# Altium PCB PCB1.PcbDoc (part 1 of 2)
Units mm, origin at the board's own origin, x right, y up, seen from the top; angles counter-clockwise.
Board outline 125 x 50 mm, 4 copper layers (Top Layer, Top Middle Layer, Bottom Middle Layer, Bottom Layer), stack 0.603 mm thick; 91 components, 155 nets, 641 pads, 185 vias.
Unrouted connection lines stored in the file: 1.
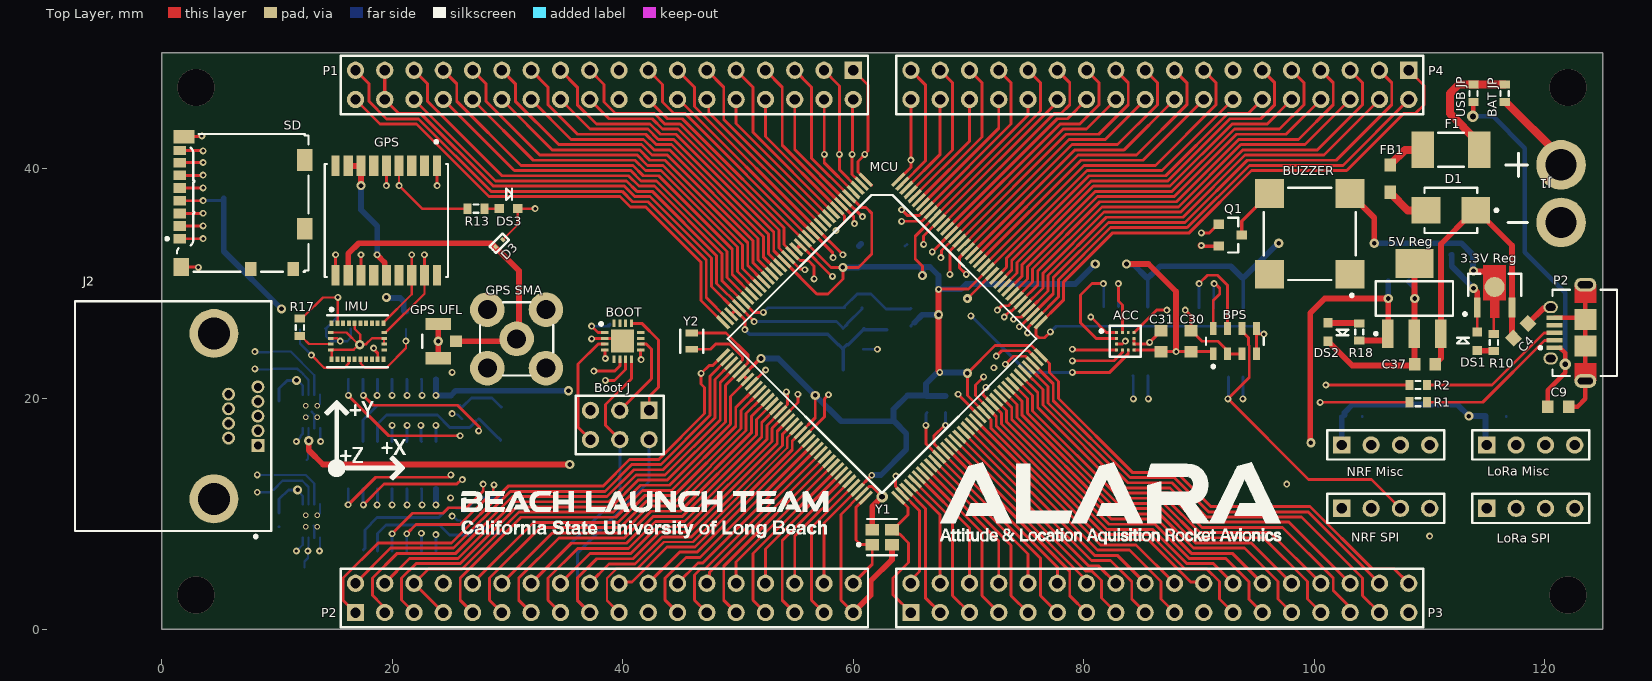
[diagram p0: Top Layer view]
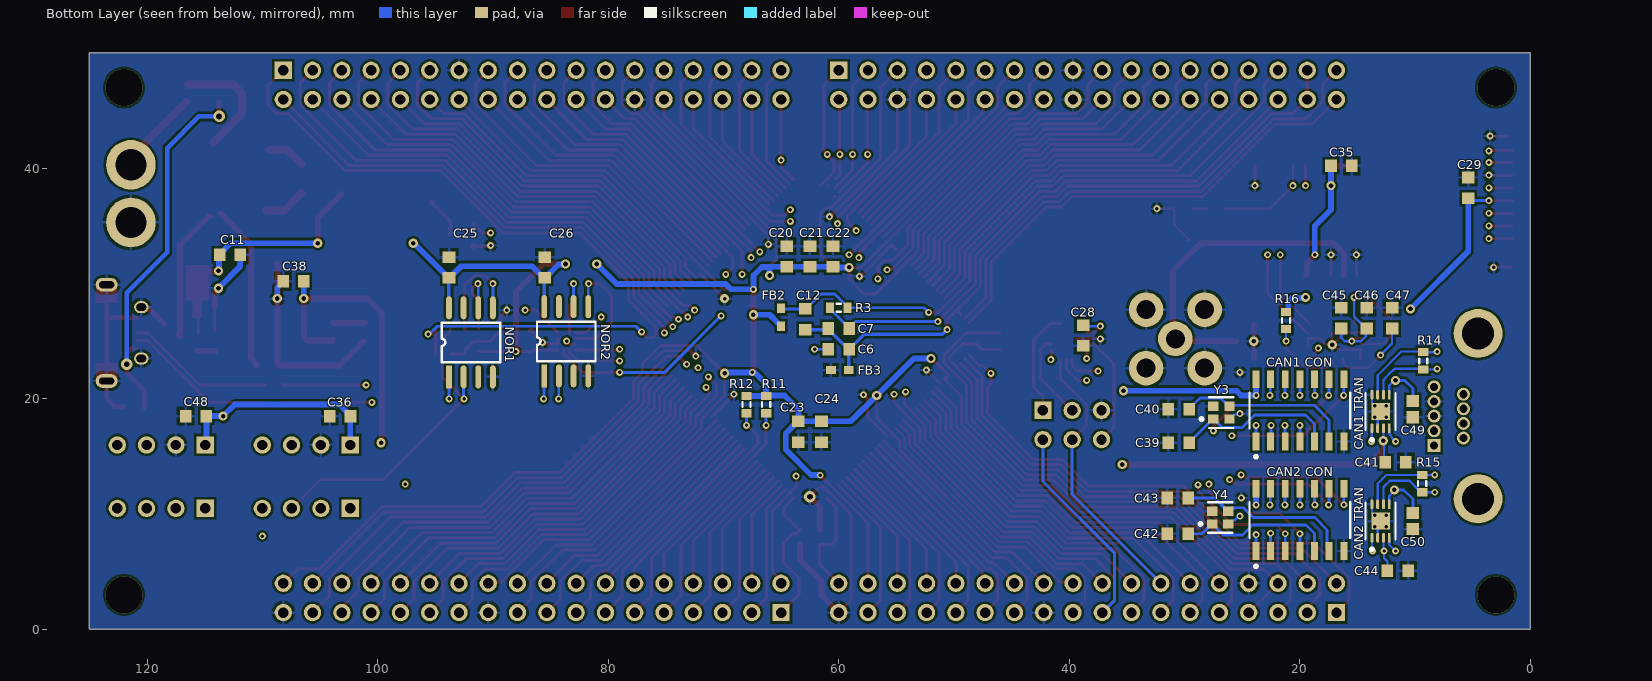
[diagram p1: Bottom Layer view, seen from below]
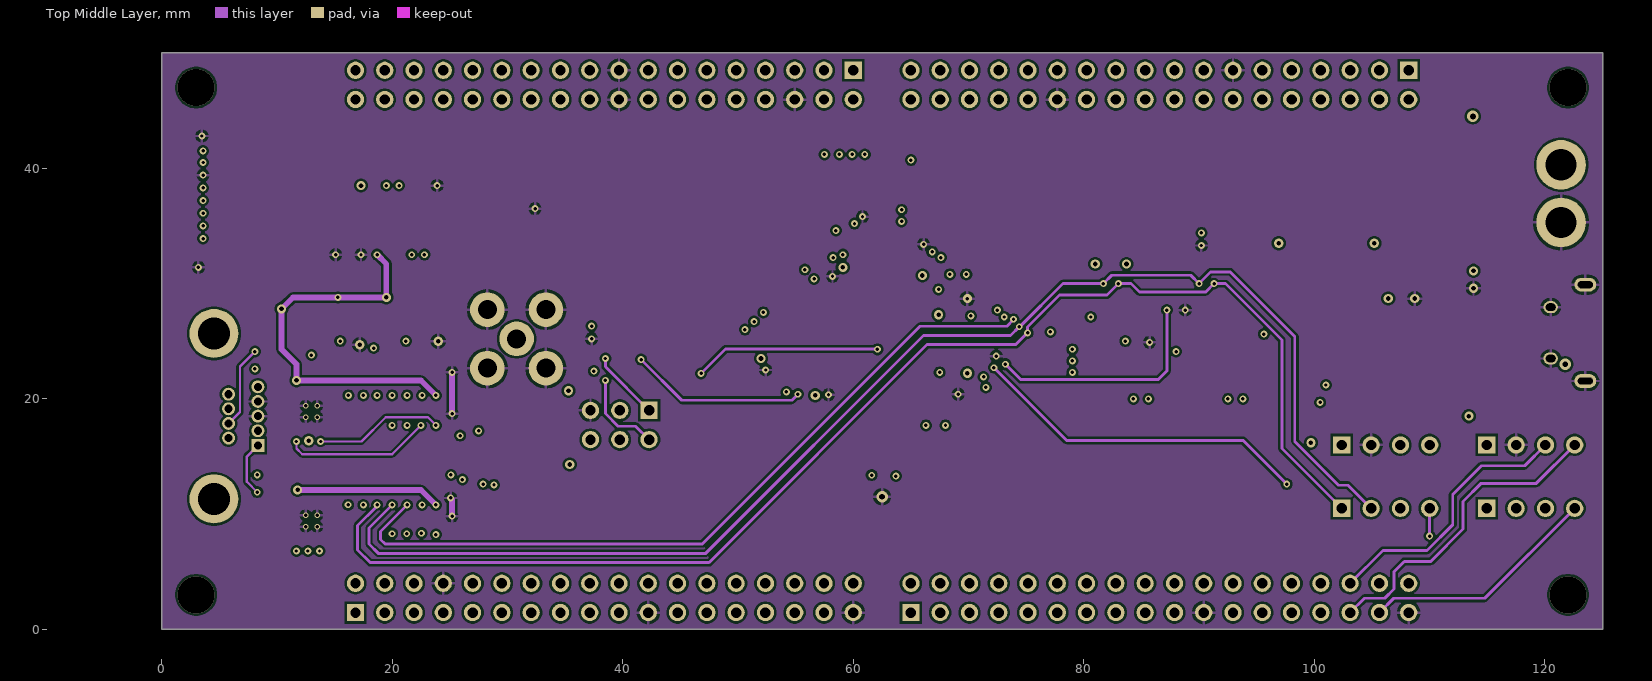
[diagram p2: Top Middle Layer]
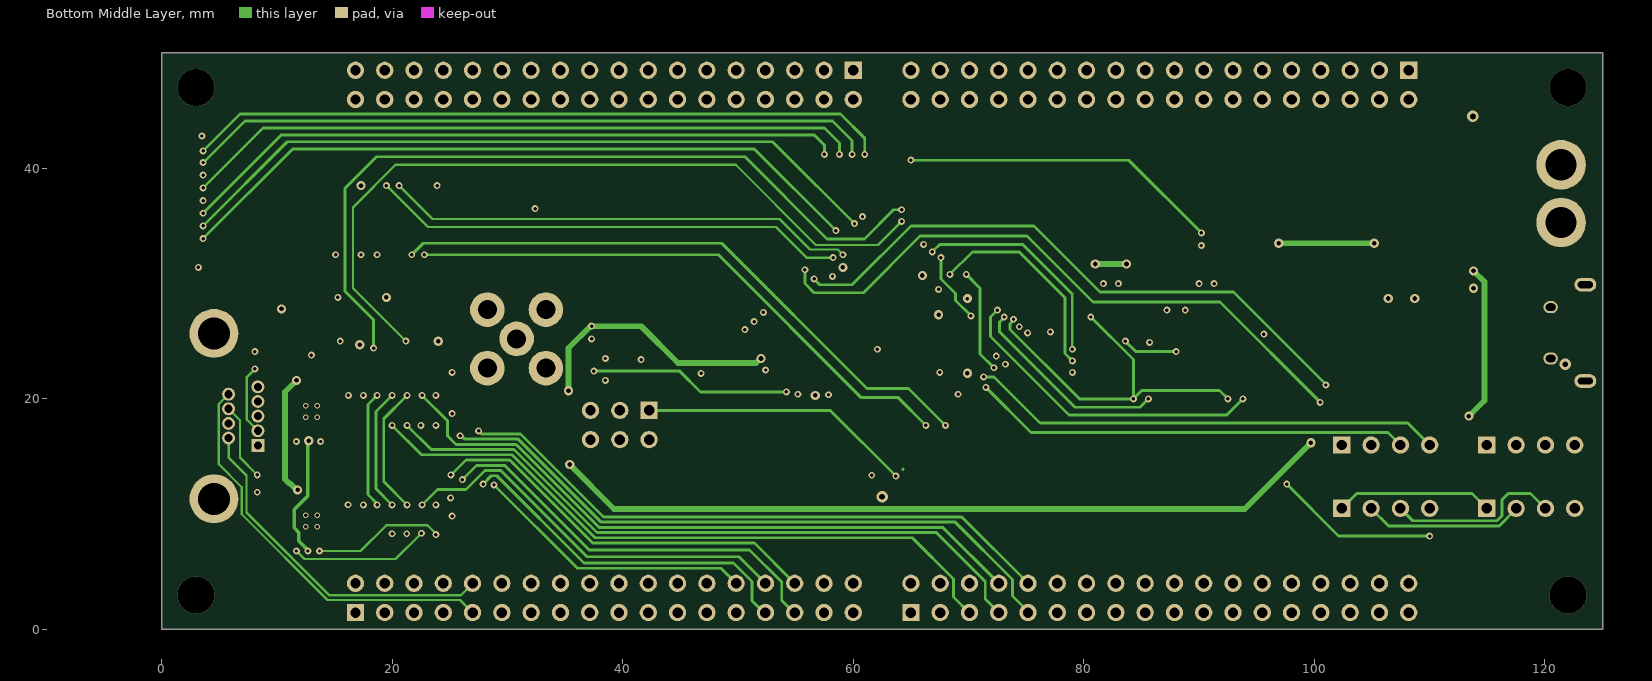
[diagram p3: Bottom Middle Layer]
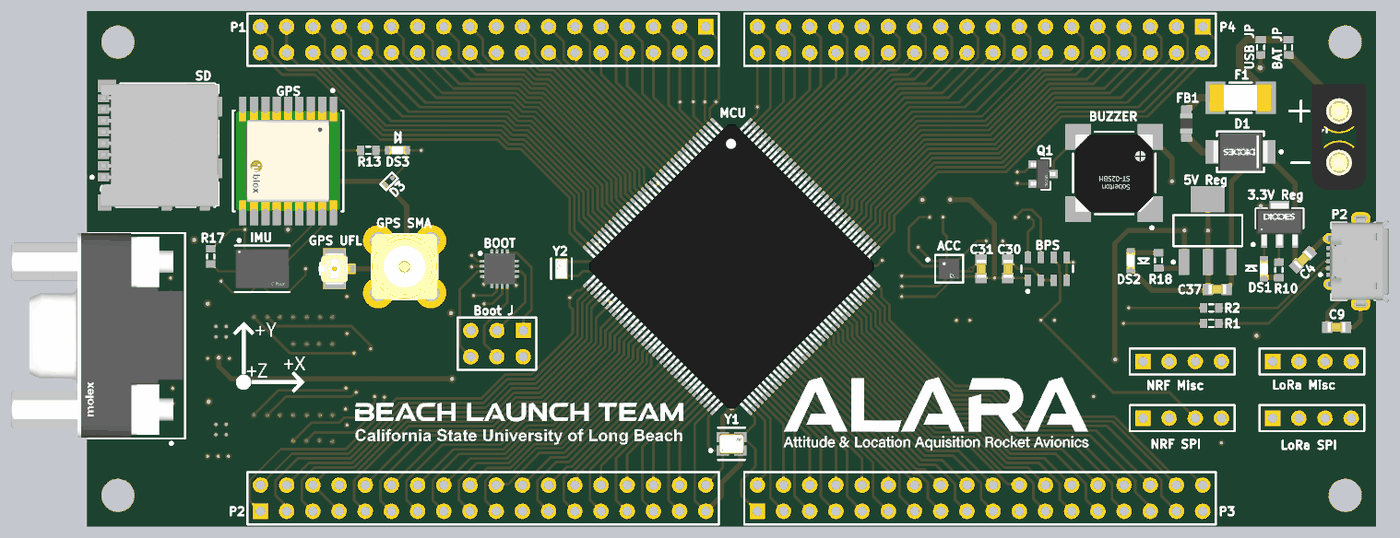
[diagram p5: 3D render of the assembled board from above, using the file's embedded part models]
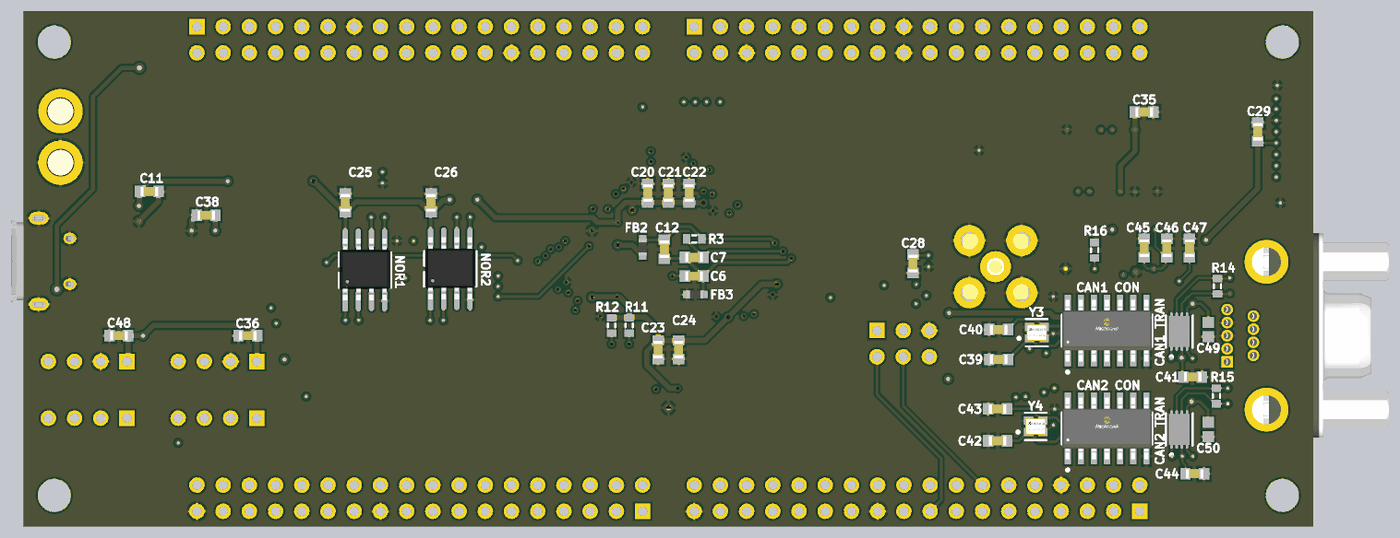
[diagram p6: 3D render of the assembled board from below, using the file's embedded part models]

## Layer stack, top to bottom
Top Solder: solder mask 0.0102, Solder Resist, Dk 3.5
Top Layer: signal copper 0.0356
Dielectric 2: prepreg 0.0711, PP-006, Dk 4.1
Top Middle Layer: signal copper 0.035
Dielectric 1: dielectric 0.32, FR-4, Dk 4.8
Bottom Middle Layer: signal copper 0.035
Dielectric 3: prepreg 0.0711, PP-006, Dk 4.1
Bottom Layer: signal copper 0.0356
Bottom Solder: solder mask 0.0102, Solder Resist, Dk 3.5

## Board outline
0,50 0,0 125,0 125,50

## Design rules (kind name [scope] priority, off if disabled: settings)
Clearance [All] p1: gap=0.2 ignorepadtopadclearanceinfootprint=TRUE
HoleSize [All] p1: absolutevalues=TRUE maxlimit=10 minlimit=0.3 maxpercent=80.000 minpercent=20.000
HoleToHoleClearance [All] p1: gap=0.2 allowstackedmicrovias=TRUE
MinimumSolderMaskSliver [All] p1: minsoldermaskwidth=0.1
PasteMaskExpansion [All] p1: expansion=0.01
PolygonConnect [All] p1: connectstyle=Relief reliefconductorwidth=0.254 reliefentries=4 polygonreliefangle="90 Angle" airgapwidth=0.254
RoutingVias [All] p1: holewidth=0.711 width=1.27 viastyle="Through Hole" minholewidth=0.711 minwidth=1.27 maxholewidth=0.711 maxwidth=1.27
SilkToSilkClearance [All] p1: silktosilkclearance=0.2
SilkToSolderMaskClearance [IsPad] p1: minsilkscreentomaskgap=0.2 clearancetoexposedcopper=TRUE
SolderMaskExpansion [All] p1: expansion=0.05 istentingtop=FALSE
Width [All] p1: maxlimit=1 minlimit=0.2 preferedwidth=0.25 minimp=50.000000 maximp=50.000000 favimp=50.000000
24 further rules are at their usual default settings.

## Components (designator, comment, footprint, x,y, rotation, side; value= is the part's Value field where it differs from the comment)
"3.3V Reg" "AZ1117CR-3.3TRG1" FP-SOT89-MFG 115.634,29.554 r0 top
"5V Reg" "MCP1804T-5002I/DB" SOT-223-DB3_M 108.679,28.7 r90 top
ACC "KX134-1211" FP-KX134-1211-MFG 83.6,25 r0 top
"BAT JP" "0603" J1-0603 116.5,46.5 r270 top value=0
BOOT "MKL02Z32VFG4" QFN50P300X300X65-17N-D 40,25 r0 top
"Boot J" "Header 3X2" HDR2X3 42.29,19 r180 top
BPS "MS560702BA03-50" TECO-MS560702BA03-50_V 93.1,25 r90 top
BUZZER "ST-025BH" FP-ST-025BH-MFG 99.6,34.3 r90 top
C4 "10uF" "0603 Cap" 117.9,25.9 r45 top
C6 "100nF" "0603 Cap" 60,24.3 r180 bottom
C7 "100nF" "0603 Cap" 60,26.1 r0 bottom
C9 "10uF" "0603 Cap" 121.158,19.321 r0 top
C11 "22uF" "0603 Cap" 112.8,32.5 r180 bottom
C12 "2.2uF" "0603 Cap" 62.9,26.9 r270 bottom
C20 "10uF" "0603 Cap" 64.5,32.35 r90 bottom
C21 "100nF" "0603 Cap" 62.5,32.35 r90 bottom
C22 "100nF" "0603 Cap" 60.5,32.35 r90 bottom
C23 "100nF" "0603 Cap" 63.5,17.15 r270 bottom
C24 "100nF" "0603 Cap" 61.5,17.15 r270 bottom
C25 "100nF" "0603 Cap" 93.8,31.4 r90 bottom
C26 "100nF" "0603 Cap" 85.5,31.4 r90 bottom
C28 "100nF" "0603 Cap" 38.8,25.5 r270 bottom
C29 "100nF" "0603 Cap" 5.4,38.3 r90 bottom
C30 "100nF" "0603 Cap" 89.3,25 r90 top
C31 "100nF" "0603 Cap" 86.7,25 r90 top
C35 "100nF" "0603 Cap" 16.4,40.219 r180 bottom
C36 "22uF" "0603 Cap" 103.25,18.5 r0 bottom
C37 "10uF" "0603 Cap" 109.6,23 r180 top
C38 "10uF" "0603 Cap" 107.3,30.2 r0 bottom
C39 "8pF" "0603 Cap" 30.5,16.2 r0 bottom
C40 "8pF" "0603 Cap" 30.5,19.1 r0 bottom
C41 "100nF" "0603 Cap" 11.704,14.5 r180 bottom
C42 "8pF" "0603 Cap" 30.6,8.3 r0 bottom
C43 "8pF" "0603 Cap" 30.6,11.4 r0 bottom
C44 "100nF" "0603 Cap" 11.5,5.1 r180 bottom
C45 "100nF" "0603 Cap" 16.4,27 r90 bottom
C46 "120nF" "0603 Cap" 14.2,27 r90 bottom
C47 "1uF" "0603 Cap" 12,27 r90 bottom
C48 "10uF" "0603 Cap" 115.75,18.5 r0 bottom
C49 "100nF" CAPC1608X95X40ML15T15 10.2,19.1 r90 bottom
C50 "100nF" CAPC1608X95X40ML15T15 10.2,9.4 r90 bottom
"CAN1 CON" "MCP2517FD-H/SL" FP-C04-065-SL-MFG 20,19 r90 bottom
"CAN1 TRAN" "MCP2542FDT-E/MNY" FP-C04-129-MNY-MFG 13,18.9 r90 bottom
"CAN2 CON" "MCP2517FD-H/SL" FP-C04-065-SL-MFG 20,9.5 r90 bottom
"CAN2 TRAN" "MCP2542FDT-E/MNY" FP-C04-129-MNY-MFG 13,9.4 r90 bottom
D1 "S3MB-13-F" FP-SMB-MFG 111.841,36.35 r180 top value=40pF
D3 "DF2S5.1FS,L3M" "Diode SOD-923" 29.291,33.491 r45 top
DS1 "150060VS75000" WE-150060VS75000_V 114.134,25 r270 top
DS2 "150060VS75000" WE-150060VS75000_V 101.192,25.8 r90 top
DS3 "150060VS75000" WE-150060VS75000_V 30.1,36.5 r180 top
F1 "0451001.MRL" FP-0451-MFG 111.85,41.6 r180 top value=0.078Ω
FB1 "742792023" SMD-0805 106.6,39.1 r270 top
FB2 "742792651" SMD-0603 65,27.075 r270 bottom
FB3 "742792651" SMD-0603 59.9,22.5 r180 bottom
GPS "MAX-M8Q-0" FP-MAX-M8Q-0-MFG 19.5,35.469 r270 top
"GPS SMA" "32K101-400L5" ROS-32K101-400L5_V 30.8,25.2 r90 top
"GPS UFL" "U.FL-R-SMT-1(10)" FP-U_FL-R-SMT-1_10-MFG 24,25 r270 top
IMU "BNO055" FP-BNO055-MFG 17,25 r90 top
J1 "XT30" XT30 121.4,40.3 r270 top
J2 "83611-9006" FP-83611-9006-MFG 1,18.5 r90 top
"LoRa Misc" "Header 4" HDR1X4 114.96,16 r0 top
"LoRa SPI" "Header 4" HDR1X4 114.96,10.5 r0 top
MCU "MK66FX1M0" "LQFP144 0.5mm Pitch" 61.08,39 r315 top locked
NOR1 "omponent_1" "SOIC-8 - duplicate" 93.81,21.9 r90 bottom
NOR2 "omponent_1" "SOIC-8 - duplicate" 85.54,22 r90 bottom
"NRF Misc" "Header 4" HDR1X4 102.38,16 r0 top
"NRF SPI" "Header 4" HDR1X4 102.38,10.5 r0 top
P1 "Header 18X2" HDR2X18 60,48.5 r180 top
P2 "Header 18X2" HDR2X18 16.82,1.46 r0 top
P2 "47589-0001" MOLX-47589-0001_V 122,25.725 r90 top
P3 "Header 18X2" HDR2X18 65,1.46 r0 top
P4 "Header 18X2" HDR2X18 108.18,48.5 r180 top
Q1 "DMG2302U-7" FP-SOT23-MFG 92.7,34.2 r0 top
R1 "0603" J1-0603 109,19.7 r0 top value=33
R2 "0603" J1-0603 109,21.2 r0 top value=33
R3 "0603" J1-0603 60,27.9 r180 bottom value=470
R10 "0603" J1-0603 115.57,24.892 r90 top value=470
R11 "0603" J1-0603 66.3,19.5 r90 bottom value=4.7k
R12 "0603" J1-0603 68,19.5 r90 bottom value=4.7k
R13 "0603" J1-0603 27.271,36.5 r180 top value=470
R14 "0603" J1-0603 9.3,23.3 r270 bottom value=120
R15 "0603" J1-0603 9.4,12.65 r270 bottom value=120
R16 "0603" J1-0603 21.2,26.8 r270 bottom value=10k
R17 "0603" J1-0603 12,26.2 r90 top value=10k
R18 "0603" J1-0603 103.9,25.8 r270 top value=470
SD "104031-0811" MOLX-104031-0811_V 7,37 r270 top
"USB JP" "0603" J1-0603 113.8,46.5 r90 top value=0
Y1 "NX2520SA-16MHZ-STD-CSW-5" FP-NX2520SA-MFG 62.5,8 r0 top
Y2 "ECS-.327-12.5-12-TR" FP-ECX-12-MFG 46,25 r90 top
Y3 "CX2016DB40000D0FLJCC" FP-CX2016DB-MFG 26.8,18.8 r180 bottom
Y4 "CX2016DB40000D0FLJCC" FP-CX2016DB-MFG 26.9,9.7 r180 bottom

## Footprints (in the part's own frame and the unit in brackets; to place one, negate y for a bottom-side part, rotate by r counter-clockwise, add the part's x,y. Pads: shape width x height; smd on the part's side, far side on the other; paste and mask are expansions set on the pad)
"0603 Cap" [mm]
  rect 1x1.1 smd: 1(-0.9,0) 2(0.9,0)
  body extent -0.85,-0.45 0.85,0.45, height 0.9
CAPC1608X95X40ML15T15 [mm] "Chip Capacitor, 2-Leads, Body 1.60x0.80mm, IPC Low Density"
  rect 1.05x1.1 smd: 1(-0.7,0) 2(0.7,0)
  body extent -0.88,-0.48 0.87,0.47, height 0.95
"Diode SOD-923" [mm]
  rect 0.325x0.4 smd: 1(-0.438,0) 2(0.438,0)
  silkscreen extent -0.8,-0.4 0.8,0.4, body extent -0.41,-0.3 0.41,0.3, height 0.48
FP-0451-MFG [mil]
  rect 77x124 smd paste+0 mask+0: 1(-96.5,0) 2(96.5,0)
  silkscreen extent -43,-58 43,58, body extent -139,-66 139,66, height 10
FP-83611-9006-MFG [mm]
  rect 1.12x1.12 hole 0.71 paste-1000 mask+0: 1(-2.54,-7.355)
  round 1.12 hole 0.71 paste-1000 mask+0: 2(-1.27,-7.355) 3(0,-7.355) 4(1.27,-7.355) 5(2.54,-7.355) 6(-1.905,-4.815) 7(-0.635,-4.815) 8(0.635,-4.815) 9(1.905,-4.815)
  round 4.24 hole 2.79 paste-1000 mask+0: 10(-7.175,-3.545) 11(7.175,-3.545)
  silkscreen extent -10.57,-8.51 9.97,8.51, body extent -10.07,-8.61 10.07,8.61, height 0.25
FP-BNO055-MFG [mm]
  rect 0.475x0.35 smd paste+0 mask-1000: 1(1.562,2.25) 6(-1.562,2.25) 7(-1.562,1.75) 8(-1.562,1.25) 9(-1.562,0.75) 10(-1.562,0.25) 11(-1.562,-0.25) 12(-1.562,-0.75) 13(-1.562,-1.25) 14(-1.562,-1.75) 15(-1.562,-2.25) 20(1.562,-2.25) 21(1.562,-1.75) 22(1.562,-1.25) 23(1.562,-0.75) 24(1.562,-0.25) 25(1.562,0.25) 26(1.562,0.75) 27(1.562,1.25) 28(1.562,1.75)
  rect 0.25x0.475 smd paste+0 mask-1000: 2(0.75,2.312) 3(0.25,2.312) 4(-0.25,2.312) 5(-0.75,2.312) 16(-0.75,-2.312) 17(-0.25,-2.312) 18(0.25,-2.312) 19(0.75,-2.312)
  silkscreen extent -2.25,-2.65 2.87,2.65, body extent -2.45,-3.15 2.45,3.15, height 0.25
FP-C04-065-SL-MFG [mm]
  rect 1.55x0.6 smd paste+0 mask+0: 1(-2.7,3.81) 2(-2.7,2.54) 3(-2.7,1.27) 4(-2.7,0) 5(-2.7,-1.27) 6(-2.7,-2.54) 7(-2.7,-3.81) 8(2.7,-3.81) 9(2.7,-2.54) 10(2.7,-1.27) 11(2.7,0) 12(2.7,1.27) 13(2.7,2.54) 14(2.7,3.81)
  silkscreen extent -4.15,-4.38 1.55,4.38, body extent -3,-4.33 3,4.33, height 1.75
FP-C04-129-MNY-MFG [mm]
  rrect100% 0.85x0.25 smd paste+0 mask+0: 1(-1.45,0.75) 2(-1.45,0.25) 3(-1.45,-0.25) 4(-1.45,-0.75) 5(1.45,-0.75) 6(1.45,-0.25) 7(1.45,0.25) 8(1.45,0.75)
  rect 1.5x1.6 smd paste+0 mask+0: 9(0,0)
  silkscreen extent -2.57,-1.3 1.58,1.3, body extent -1.5,-1 1.5,1, height 0.8
FP-CX2016DB-MFG [mm]
  rect 0.9x0.8 smd paste+0 mask+0: 1(-0.7,-0.55) 2(0.7,-0.55) 3(0.7,0.55) 4(-0.7,0.55)
  silkscreen extent -1.85,-1.33 1.05,1.33, body extent -1,-0.8 1,0.8, height 0.45
FP-ECX-12-MFG [mm]
  rect 0.6x1.1 smd paste+0 mask+0: 1(-0.7,0) 2(0.7,0)
  silkscreen extent -1,-1 1,1, body extent -1.15,-0.75 1.15,0.75, height 0.25
FP-KX134-1211-MFG [mm]
  rect 0.275x0.25 smd paste-1000 mask+0: 1(-0.763,0.75) 2(-0.763,0.25) 3(-0.763,-0.25) 4(-0.763,-0.75) 7(0.763,-0.75) 8(0.763,-0.25) 9(0.763,0.25) 10(0.763,0.75)
  rect 0.25x0.275 smd paste-1000 mask+0: 5(-0.25,-0.763) 6(0.25,-0.763) 11(0.25,0.763) 12(-0.25,0.763)
  silkscreen extent -2.2,-1.35 1.35,1.35, body extent -1.54,-1.54 1.54,1.54, height 0.25
FP-MAX-M8Q-0-MFG [mm]
  rect 1.8x0.7 smd paste-1000 mask-1000: 1(-4.75,4.4) 9(-4.75,-4.4) 10(4.75,-4.4) 18(4.75,4.4)
  rect 1.8x0.8 smd paste-1000 mask-1000: 2(-4.75,3.3) 3(-4.75,2.2) 4(-4.75,1.1) 5(-4.75,0) 6(-4.75,-1.1) 7(-4.75,-2.2) 8(-4.75,-3.3) 11(4.75,-3.3) 12(4.75,-2.2) 13(4.75,-1.1) 14(4.75,0) 15(4.75,1.1) 16(4.75,2.2) 17(4.75,3.3)
  silkscreen extent -6.95,-5.35 4.9,5.35, body extent -6.35,-5.45 6.35,5.45, height 0.25
FP-NX2520SA-MFG [mm]
  rect 1.2x1 smd paste+0 mask+0: 1(-0.85,-0.65) 2(0.85,-0.65) 3(0.85,0.65) 4(-0.85,0.65)
  silkscreen extent -2.15,-1.56 1.3,1.58, body extent -1.55,-1.25 1.55,1.25, height 0.25
FP-SMB-MFG [mm]
  rect 2.5x2.3 smd paste+0 mask+0: 1(-2.15,0) 2(2.15,0)
  silkscreen extent -4.08,-1.97 2.28,1.97, body extent -3.5,-2.07 3.5,2.07, height 0.25
FP-SOT23-MFG [mm]
  rect 0.9x0.8 smd paste+0 mask+0: 1(-1,0.95) 2(-1,-0.95) 3(1,0)
  silkscreen extent -0.18,-1.5 0.7,1.5, body extent -1.55,-1.6 1.55,1.6, height 0.25
FP-SOT89-MFG [mm]
  rect 0.58x1.73 smd paste+0 mask+0: 1(-1.5,-1.635) 3(1.5,-1.635)
  round 1.74 smd paste+0 mask+0: 2(0,0.146)
  Top Layer region: -0.38,-2.5 -0.38,-1 -0.967,-1 -0.967,2.03 0.967,2.03 0.967,-1 0.38,-1 0.38,-2.5
  silkscreen extent -2.7,-2.32 2.3,1.3, body extent -2.4,-2.6 2.4,2.13, height 0.25
FP-ST-025BH-MFG [mm]
  rect 2.5x2.5 smd paste+0 mask+0: 1(-3.5,-3.5) 2(3.5,-3.5) 3(3.5,3.5) 4(-3.5,3.5)
  silkscreen extent -5.45,-4 4,4, body extent -3.76,-3.73 3.74,3.77, height 3
FP-U_FL-R-SMT-1_10-MFG [mm]
  rect 1x1.05 smd paste-1000 mask+0: 1(0,1.525)
  rect 1.05x2.2 smd paste-1000 mask+0: 2(-1.475,0) 3(1.475,0)
  silkscreen extent -0.58,-1.38 0.58,-1.38, body extent -2.1,-1.48 2.1,2.15, height 0.25
HDR1X4 [mm] "Connector; Header; 4 Position"
  rect 1.5x1.5 hole 0.9: 1(0,0)
  round 1.5 hole 0.9: 2(2.54,0) 3(5.08,0) 4(7.62,0)
  silkscreen extent -1.27,-1.27 8.89,1.27
HDR2X3 [mm] "Connector; Header; 3x2 Position"
  rect 1.5x1.5 hole 0.9: 1(0,0)
  round 1.5 hole 0.9: 2(0,2.54) 3(2.54,0) 4(2.54,2.54) 5(5.08,0) 6(5.08,2.54)
  silkscreen extent -1.27,-1.27 6.35,3.81
HDR2X18 [mm] "Connector; Header; 18x2 Position"
  rect 1.5x1.5 hole 0.9: 1(0,0)
  round 1.5 hole 0.9: 2(0,2.54) 3(2.54,0) 4(2.54,2.54) 5(5.08,0) 6(5.08,2.54) 7(7.62,0) 8(7.62,2.54) 9(10.16,0) 10(10.16,2.54) 11(12.7,0) 12(12.7,2.54) 13(15.24,0) 14(15.24,2.54) 15(17.78,0) 16(17.78,2.54) 17(20.32,0) 18(20.32,2.54) 19(22.86,0) 20(22.86,2.54) 21(25.4,0) 22(25.4,2.54) 23(27.94,0) 24(27.94,2.54) 25(30.48,0) 26(30.48,2.54) 27(33.02,0) 28(33.02,2.54) 29(35.56,0) 30(35.56,2.54) 31(38.1,0) 32(38.1,2.54) 33(40.64,0) 34(40.64,2.54) 35(43.18,0) 36(43.18,2.54)
  silkscreen extent -1.27,-1.27 44.45,3.81
J1-0603 [mm] "Chip Resistor, Body 1.6x0.8mm, IPC High Density"
  rect 0.7x0.9 smd: 1(-0.75,0) 2(0.75,0)
  silkscreen extent -0.2,-0.35 0.2,0.35, body extent -0.85,-0.48 0.85,0.48, height 0.9
"LQFP144 0.5mm Pitch" [mm]
  rect 1.5x0.3 smd: 1(0,0) 2(0,-0.5) 3(0,-1) 4(0,-1.5) 5(0,-2) 6(0,-2.5) 7(0,-3) 8(0,-3.5) 9(0,-4) 10(0,-4.5) 11(0,-5) 12(0,-5.5) 13(0,-6) 14(0,-6.5) 15(0,-7) 16(0,-7.5) 17(0,-8) 18(0,-8.5) 19(0,-9) 20(0,-9.5) 21(0,-10) 22(0,-10.5) 23(0,-11) 24(0,-11.5) 25(0,-12) 26(0,-12.5) 27(0,-13) 28(0,-13.5) 29(0,-14) 30(0,-14.5) 31(0,-15) 32(0,-15.5) 33(0,-16) 34(0,-16.5) 35(0,-17) 36(0,-17.5) 73(21.5,-17.5) 74(21.5,-17) 75(21.5,-16.5) 76(21.5,-16) 77(21.5,-15.5) 78(21.5,-15) 79(21.5,-14.5) 80(21.5,-14) 81(21.5,-13.5) 82(21.5,-13) 83(21.5,-12.5) 84(21.5,-12) 85(21.5,-11.5) 86(21.5,-11) 87(21.5,-10.5) 88(21.5,-10) 89(21.5,-9.5) 90(21.5,-9) 91(21.5,-8.5) 92(21.5,-8) 93(21.5,-7.5) 94(21.5,-7) 95(21.5,-6.5) 96(21.5,-6) 97(21.5,-5.5) 98(21.5,-5) 99(21.5,-4.5) 100(21.5,-4) 101(21.5,-3.5) 102(21.5,-3) 103(21.5,-2.5) 104(21.5,-2) 105(21.5,-1.5) 106(21.5,-1) 107(21.5,-0.5) 108(21.5,0)
  rect 0.3x1.5 smd: 37(2,-19.5) 38(2.5,-19.5) 39(3,-19.5) 40(3.5,-19.5) 41(4,-19.5) 42(4.5,-19.5) 43(5,-19.5) 44(5.5,-19.5) 45(6,-19.5) 46(6.5,-19.5) 47(7,-19.5) 48(7.5,-19.5) 49(8,-19.5) 50(8.5,-19.5) 51(9,-19.5) 52(9.5,-19.5) 53(10,-19.5) 54(10.5,-19.5) 56(11.5,-19.5) 57(12,-19.5) 58(12.5,-19.5) 59(13,-19.5) 60(13.5,-19.5) 61(14,-19.5) 62(14.5,-19.5) 63(15,-19.5) 64(15.5,-19.5) 65(16,-19.5) 66(16.5,-19.5) 67(17,-19.5) 68(17.5,-19.5) 69(18,-19.5) 70(18.5,-19.5) 71(19,-19.5) 72(19.5,-19.5) 109(19.5,2) 110(19,2) 111(18.5,2) 112(18,2) 113(17.5,2) 114(17,2) 115(16.5,2) 116(16,2) 117(15.5,2) 118(15,2) 119(14.5,2) 120(14,2) 121(13.5,2) 122(13,2) 123(12.5,2) 124(12,2) 125(11.5,2) 126(11,2) 127(10.5,2) 128(10,2) 129(9.5,2) 130(9,2) 131(8.5,2) 132(8,2) 133(7.5,2) 134(7,2) 135(6.5,2) 136(6,2) 137(5.5,2) 138(5,2) 139(4.5,2) 140(4,2) 141(3.5,2) 142(3,2) 143(2.5,2) 144(2,2) ""(11,-19.5)